# KiCad board ElonMux.kicad_pcb (continued)
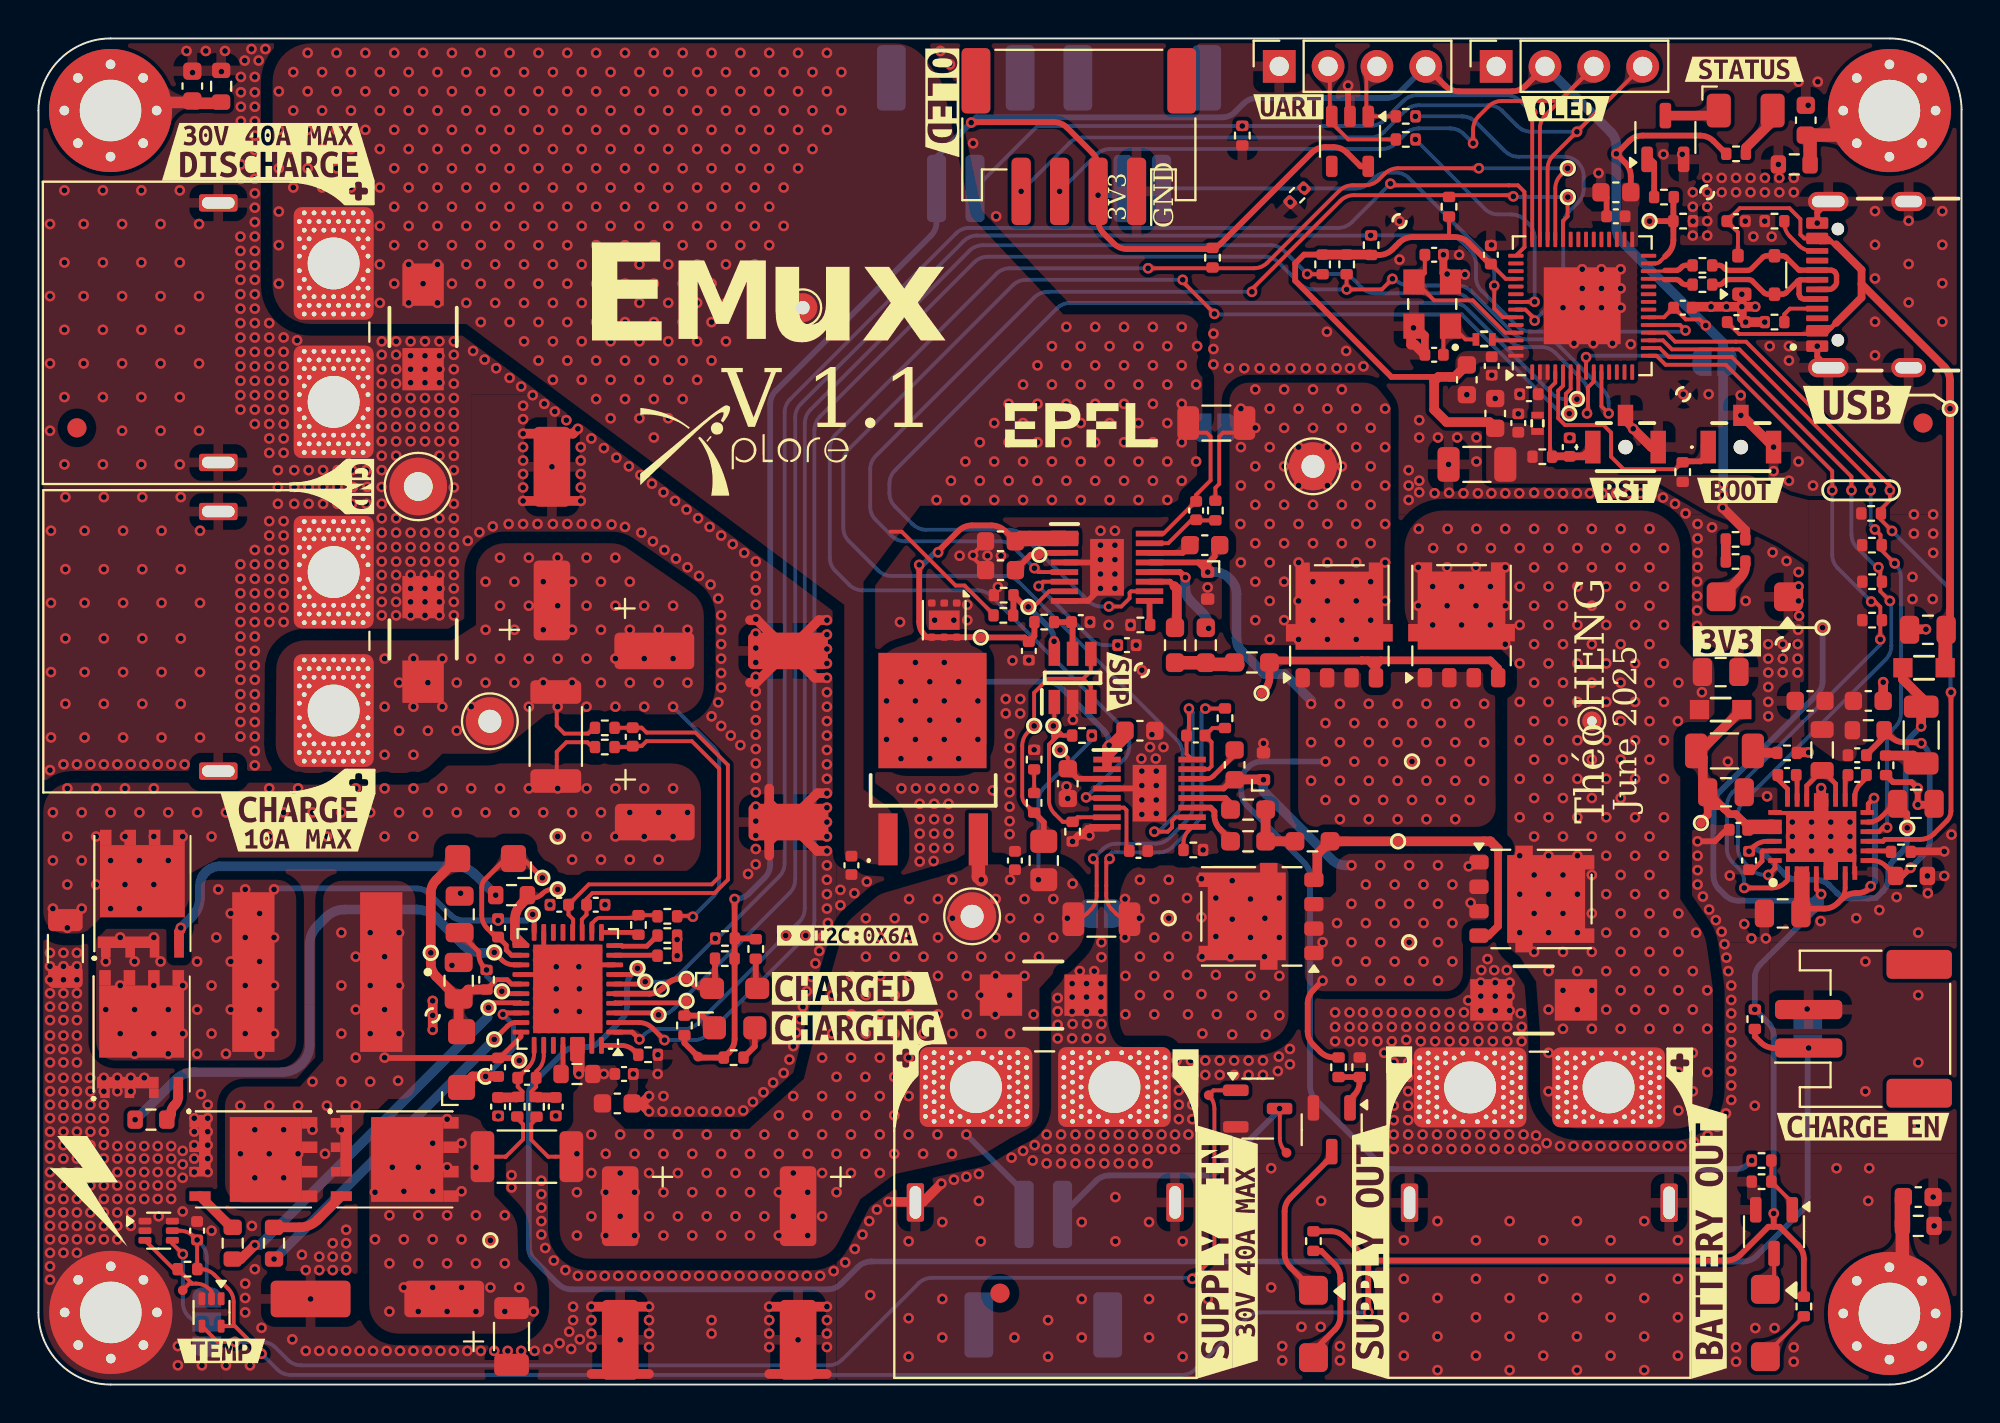
[diagram p0: board, top side]
## Placement (name value [footprint] x y rotation side) (continued)
TP810  VCC2  [TestPoint_Pad_D0.5mm_Front]  52 43.15 0 top
TP811  +VBAT  [TestPoint_THTPad_D1.5mm_Drill0.7mm]  39.75 56 0 top
TP812  +VBAT_O  [TestPoint_THTPad_D2.5mm_Drill1.2mm]  66.28 47.75 0 top
TP813  GND  [TestPoint_Pad_D0.5mm_Front]  57.38 37.15 0 top
TP814  VDD  [TestPoint_Pad_D0.5mm_Front]  49 38.85 0 top
TP815  GND  [TestPoint_Pad_D0.5mm_Front]  57.38 37.15 0 top
TP816  +VSUPPLY_O  [TestPoint_Pad_D0.5mm_Front]  58.78 24.25 0 top
TP1001  VIN2  [TestPoint_Pad_D0.5mm_Front]  99.4 50.75 270 top
TP1002  GND  [TestPoint_Pad_D0.5mm_Front]  86.78 62 270 top
TP1003  FAN_GATE  [TestPoint_Pad_D0.5mm_Front]  60.85 15.05 0 top
TP1004  FAN-  [TestPoint_Pad_D0.5mm_Front]  64.9 12.05 0 top
TP1005  FAN_OUT  [TestPoint_Pad_D0.5mm_Front]  7.5 4.9 0 top
U401  ESP32-S3FN8  [QFN-56-1EP_7x7mm_P0.4mm_EP4x4mm]  80.28 56.1 90 top
U701  BQ25756E  [QFN-36-1EP_5x6mm_P0.5mm_EP3.6x4.6mm]  27.53 20.58 180 top
U801  TVS3300DRV  [WSON-6-1EP_2x2mm_P0.65mm_EP1x1.6mm]  47.1 39.75 270 top
U901  74LVC1GU04DRL  [SOT-553]  9 3.75 270 top
Y401  ECS-400-10-33B-CKM-TR  [XTAL_ECS-400-10-33B-CKM-TR]  72.47 56.19 90 top

## Library data of the parts
C401 C404 C411 C717 C811-C814 = -: Datasheet: https://www.mouser.ch/datasheet/2/447/UPY_GPHC_X7R_6_3V_to_250V_24-3441574.pdf; Description: Unpolarized capacitor; Manufacturer Part Number: CC0603KRX7R9BB105; Supplier: Mouser Electronics; Manufacturer: YAGEO; Supplier Part Number: 603-CC603KRX7R9BB105; ki_fp_filters: C_*
C402 C405-C408 C412 C413 C601 C602 C606 C613 C710 C711 C713-C716 C718 C802 C803 C806-C810 C901 C1001 C1002 = -: Datasheet: https://www.mouser.ch/datasheet/2/396/taiyo_yuden_12132018_mlcc11_hq_e-1510082.pdf; Description: Unpolarized capacitor; Manufacturer Part Number: UMK105B7104KVHF; Supplier: Mouser Electronics; Manufacturer: TAIYO YUDEN; Supplier Part Number: 963-UMK105B7104KVHF; ki_fp_filters: C_*
C403 C604 C611 C704 C705 = -: Datasheet: https://www.mouser.ch/datasheet/2/585/MLCC-1837944.pdf; Description: Unpolarized capacitor; Manufacturer Part Number: CL31B106KBHNNNE; Supplier: Mouser Electronics; Manufacturer: Samsung Electro-Mechanics; Supplier Part Number: 187-CL31B106KBHNNNE; ki_fp_filters: C_*
C409 C410 C607 = -: Datasheet: https://www.mouser.ch/datasheet/2/40/U_Series-2942365.pdf; Description: Unpolarized capacitor; Manufacturer Part Number: 04025U100BAT2A; Supplier: Mouser Electronics; Manufacturer: KYOCERA AVX; Supplier Part Number: 581-04025U100BAT2A; ki_fp_filters: C_*
C603 C605 C610 C612 C614 C719 C720 = -: Datasheet: https://product.tdk.com/system/files/dam/doc/product/capacitor/ceramic/mlcc/catalog/mlcc_automotive_general_en.pdf; Description: Unpolarized capacitor; Manufacturer Part Number: CGA4J1X7R1H475K125AC; Supplier: Mouser Electronics; Manufacturer: TDK; Supplier Part Number: 810-CGA4J1X7R1H475K1; ki_fp_filters: C_*
C608 C609 = -: Datasheet: https://www.mouser.ch/datasheet/2/281/1/GRT188R61A226ME13_01A-3158190.pdf; Description: Unpolarized capacitor; Manufacturer Part Number: GRT188R61A226ME13D; Supplier: Mouser Electronics; Manufacturer: Murata Electronics; Supplier Part Number: 81-GRT188R61A226ME13; ki_fp_filters: C_*
C701-C703 C706-C708 = -: Datasheet: https://www.mouser.ch/datasheet/2/447/KEM_A4098_A780-3316145.pdf; Description: Polarized capacitor; Manufacturer Part Number: A780KS566M1JLAV040; Supplier: Mouser Electronics; Manufacturer: KEMET; Supplier Part Number: 80-A780KS566M1JLAV40; ki_fp_filters: CP_*
C709 C712 = -: Datasheet: https://www.mouser.ch/datasheet/2/281/1/GRM155R61H474KE11_01A-1983918.pdf; Description: Unpolarized capacitor; Manufacturer Part Number: GRM155R61H474KE11J; Supplier: Mouser Electronics; Manufacturer: Murata Electronics; Supplier Part Number: 81-GRM155R61H474KE1J; ki_fp_filters: C_*
C801 = -: Datasheet: https://www.mouser.ch/ProductDetail/KEMET/C0402C103J5RACAUTO?qs=KsGdhZFQ2RYoP6l8zK8S9A%3D%3D; Description: Unpolarized capacitor; Manufacturer Part Number: C0402C103J5RACAUTO; Supplier: Mouser Electronics; Manufacturer: TAIYO YUDEN; Supplier Part Number: 80-C0402C103J5RAUTO; ki_fp_filters: C_*
C805 C815 = -: Datasheet: https://www.mouser.fr/ProductDetail/KEMET/C0603C154K5RACAUTO?qs=sGAEpiMZZMvsSlwiRhF8qoq2nt9U6jfXK6tmGe3qCzY%3D; Description: Unpolarized capacitor; Manufacturer Part Number: C0603C154K5RACAUTO; Supplier: Mouser Electronics; Manufacturer: KEMET; Supplier Part Number: 80-C0603C154K5RAUTO; ki_fp_filters: C_*
C1201-C1203 = -: Datasheet: https://www.mouser.fr/datasheet/2/447/KEM_C1010_X7R_HV_SMD-3316377.pdf; Description: Multilayer Ceramic Capacitors MLCC - SMD/SMT 1000V 1kpF 0603 X7R 20%; Manufacturer: KEMET; Manufacturer Part Number: C0603C102MDRAC7081; Supplier: Mouser Electronics; Supplier Part Number: 80-C0603C102MDRAC; ki_fp_filters: C_*
D501-D504 = -: Datasheet: https://www.littelfuse.com/assetdocs/tvs-diodes-smbj-series-datasheet?assetguid=09A6AE9A-73CB-4AC4-ACAC-E6DAB92AB953; Description: Littelfuse SMBJ30A, Uni-Directional TVS Diode, 600W, 2-Pin DO-214AA; Manufacturer: LITTELFUSE; Supplier Part Number: 576-SMBJ30A; Supplier: Mouser Electronics
D701 D702 = -: Datasheet: https://www.vishay.com/docs/87557/v1fm10.pdf; Description: Schottky Diodes & Rectifiers 100V 1A SMF(DO-219AB); Supplier Part Number: 78-V1FM10-M3/H; Manufacturer: Vishay General Semiconductor; Supplier: Mouser Electronics
D801 = -: Datasheet: https://www.vishay.com/docs/89360/vbt3045c.pdf; Description: VISHAY - VBT3045C-E3/8W - SCHOTTKY RECTIFIER ARRAY, 30A, TO-263AB; Manufacturer: STMicroelectronics; Supplier Part Number: 511-STPS15L60CB-TR; Supplier: Mouser Electronics
D802 D803 = -: Datasheet: https://www.mouser.ch/datasheet/2/115/ZHCS350-3216133.pdf; Description: Schottky Diodes & Rectifiers VR=40V IF=350mA IR=12uA; Supplier Part Number: 522-ZHCS350TA; Manufacturer: Diodes Incorporated; Supplier: Mouser Electronics
D1001 = -: Datasheet: https://www.ti.com/lit/ds/symlink/esds314.pdf?ts=1743702062530&ref_url=https%253A%252F%252Fwww.mouser.ch%252F; Description: ESD Protection Diodes / TVS Diodes Quad 4.5-pF 3.6-V +/-30-kV ESD protect; Manufacturer: Texas Instruments; Manufacturer Part Number: ESDS314DBVR; Supplier: Mouser Electronics; Supplier Part Number: 595-ESDS314DBVR; ki_fp_filters: SOT?23*
D1002 = -: Datasheet: https://assets.nexperia.com/documents/data-sheet/PRTR5V0U2X.pdf; Description: Ultra low capacitance double rail-to-rail ESD protection diode, SOT-143; Manufacturer Part Number: PRTR5V0U2X,215; Manufacturer: Nexperia; Supplier Part Number: 771-PRTR5V0U2X-T/R; Supplier: Mouser Electronics; ki_fp_filters: SOT?143*
FB601 FB602 = -: Datasheet: https://www.we-online.com/katalog/datasheet/742792096.pdf; Description: 1 kOhms @ 100 MHz 1 Signal Line Ferrite Bead 0805 (2012 Metric) 1A 300mOhm; Manufacturer Part Number: 742792096; Manufacturer: Würth Elektronik; Supplier: Mouser Electronics; Supplier Part Number: 710-742792096; ki_fp_filters: Inductor_* L_* *Ferrite*
FM1201-FM1203 = -: ki_fp_filters: Fiducial*
H1201-H1204 = -: ki_fp_filters: MountingHole*Pad*
IC601 = -: Datasheet: https://www.mouser.fr/datasheet/2/609/3126f-2954520.pdf; Description: Switching Voltage Regulators 42V, 2.5A Synchronous Step-Down Regulator with Lossless PowerPath; Manufacturer: Analog Devices; Supplier Part Number: 584-LTC3126IUFD#PBF; Supplier: Mouser Electronics
IC801 IC802 = -: Datasheet: https://www.analog.com/media/en/technical-documentation/data-sheets/ltc7000-7000-1.pdf; Description: Gate Drivers Fast 150V Protected High Side NMOS Static Switch Driver; Manufacturer: Analog Devices; Supplier Part Number: 584-LTC7000EMSEPBF; Supplier: Mouser Electronics
IC803 = -: Datasheet: http://www.ti.com/lit/gpn/tps3701; Description: TPS3701 36V Window Supervisor with Internal Ref for Overvoltage and Undervoltage Detection; Manufacturer: Texas Instruments; Supplier Part Number: 595-TPS3701DDCR; Supplier: Mouser Electronics
IC901 = -: Datasheet: http://www.ti.com/lit/gpn/tmp302-q1; Description: Automotive, Pin-Selectable Trip Point 1.4V-Capable Family of Temperature Switches; Manufacturer: Texas Instruments; Supplier: Mouser Electronics; Supplier Part Number: 595-TMP302AQDRLRQ1
J501-J504 = -: Description: Generic connector, single row with mounting pin; Manufacturer: AMASS; Supplier: Transfer Multisort Elektronik; ki_fp_filters: Connector*:*_1x??_*
J701 J901 J1005 J1006 = -: Description: Generic connector, single row with mounting pin; Manufacturer: JST Sales America Inc.; Supplier: Digikey; Supplier Part Number: 455-S2B-PH-SM4-TBCT-ND; ki_fp_filters: Connector*:*_1x??_*
J1001 = -: Description: Generic connector, single row with mounting pin; ki_fp_filters: Connector*:*_1x??_*
J1002 J1003 = -: Description: Generic connector, single row, 01x04, script generated (kicad-library-utils/schlib/autogen/connector/); ki_fp_filters: Connector*:*_1x??_*
J1004 = -: Datasheet: https://www.mouser.ch/datasheet/2/837/Global_Connector_Technology_usb4105-3106202.pdf; Description: USB 2.0-only 16P Type-C Receptacle connector; Manufacturer: GCT; Supplier Part Number: 640-USB4105-GF-A; Supplier: Mouser Electronics; ki_fp_filters: USB*C*Receptacle*
JP401 = -: Description: Jumper, 2-pole, small symbol, bridged; ki_fp_filters: Jumper* TestPoint*2Pads* TestPoint*Bridge*
JP701 = -: Description: Jumper, 2-pole, small symbol, open; ki_fp_filters: Jumper* TestPoint*2Pads* TestPoint*Bridge*
JP801 JP802 = -: Description: Solder Jumper, 2-pole, open; ki_fp_filters: SolderJumper*Open*
JP901 = -: Description: Solder Jumper, 3-pole, open; ki_fp_filters: SolderJumper*Open*
L401 = -: Datasheet: https://www.mouser.ch/datasheet/2/281/1/JELF243B_9118-2079820.pdf; Description: RF Inductors - SMD; Manufacturer Part Number: LQG15WH2N0B02D; Manufacturer: Murata Electronics; Supplier Part Number: 81-LQG15WH2N0B02D; Supplier: Mouser Electronics
L402 = -: Datasheet: https://product.tdk.com/system/files/dam/doc/product/inductor/inductor/smd/catalog/inductor_automotive_high-frequency_mhq1005p_en.pdf; Description: RF Inductors - SMD IND 0402 24nH S-HQ AEC Q200 RF IND; Manufacturer Part Number: MHQ1005P24NGTD25; Manufacturer: TDK; Supplier Part Number: 810-MHQ1005P24NGTD25; Supplier: Mouser Electronics
L601 = -: Datasheet: https://www.vishay.com/docs/34115/imc08051.pdf; Description: Fixed Inductors 4.7uH 5%; Manufacturer Part Number: IMC0805ER4R7J01; Manufacturer: Vishay; Supplier Part Number: 70-IMC0805ER4R7J01; Supplier: Mouser Electronics
L701 = -: Datasheet: https://www.we-online.com/components/products/datasheet/78439369033.pdf; Description: Power Inductors - SMD WE-XHMI 1.0 uH  10.00 A  13.44 mOhms 4020; Manufacturer Part Number: 78439369033; Manufacturer: Wurth Elektronik; Supplier Part Number: 710-78439369033; Supplier: Mouser Electronics
LED601 LED801 LED802 = -: Datasheet: https://www.bivar.com/parts_content/Datasheets/SM1206SRC.pdf; Description: Red 640nm LED Indication - Discrete 1.85V 1206 (3216 Metric); Manufacturer Part Number: SM1206SRC; Manufacturer: Bivar; Supplier Part Number: 749-SM1206SRC; Supplier: Mouser Electronics
LED701 = -: Datasheet: https://www.mouser.ch/datasheet/2/216/AP2012MGC-33968.pdf; Description: Standard LEDs - SMD GRN WATER CLEAR 0805; Manufacturer Part Number: AP2012MGC; Manufacturer: Kingbright; Supplier Part Number: 604-AP2012MGC; Supplier: Mouser Electronics
LED702 = -: Datasheet: https://www.mouser.ch/datasheet/2/50/SM0805UOC-3002082.pdf; Description: Standard LEDs - SMD Ultra Orange 625 nm Water Clear; Manufacturer Part Number: SM0805UOC; Manufacturer: Bivar; Supplier Part Number: 749-SM0805UOC; Supplier: Mouser Electronics
LED1101 = -: Datasheet: https://www.farnell.com/datasheets/3122976.pdf?_gl=1*1n6ydro*_gcl_au*MjEzNTk3ODk2OC4xNzM3NjcyMzA4; Description: DEL standard - CMS SMD 1206 YELLOW; Manufacturer Part Number: 599-0240-007F; Manufacturer: Dialight; Supplier Part Number: 645-599-0240-007F; Supplier: Mouser Electronics
NT701-NT704 NT801-NT806 = -: Description: Net tie, 2 pins; ki_fp_filters: Net*Tie*
Q701-Q704 = -: Datasheet: https://www.mouser.ch/datasheet/2/196/Infineon_BSC059N04LS6_DataSheet_v02_01_EN-3360636.pdf; Description: MOSFETs TRENCH <= 40V; Manufacturer: Infineon Technologies; Supplier Part Number: 726-BSC059N04LS6ATMA; Supplier: Mouser Electronics
Q801 Q806 Q901 Q1101 = -: Datasheet: https://assets.nexperia.com/documents/data-sheet/PMV90ENE.pdf; Description: N-Channel 30 V 3A (Ta) 460mW (Ta) Surface Mount TO-236AB; Manufacturer: Nexperia USA Inc.; Supplier Part Number: 771-PMV90ENER; Supplier: Mouser Electronics; ki_fp_filters: TO?92*
Q802-Q805 = -: Datasheet: https://www.onsemi.com/download/data-sheet/pdf/nvmfs5c604nl-d.pdf; Description: MOSFETs T6 60V HEFET; Manufacturer: onsemi; Supplier Part Number: 863-NVMFS5C604NLFT1G; Supplier: Mouser Electronics; ki_fp_filters: TDSON*
R401 R402 R407 R408 R804 R810 R822-R824 R901 = -: Datasheet: https://www.koaspeer.com/pdfs/SG73P.pdf; Description: Resistor; Manufacturer Part Number: SG73P1EWTTP1002F; Supplier: Mouser Electronics; Manufacturer: KOA Speer; Supplier Part Number: 660-SG73P1EWTTP1002F; ki_fp_filters: R_*
R403-R406 R603-R606 R718-R720 R825 R826 R1007 R1008 R1103 = -: Datasheet: https://www.mouser.fr/datasheet/2/315/AOA0000C304-1149620.pdf; Description: Resistor; Manufacturer Part Number: ERJ-2RKF1003X; Supplier: Mouser Electronics; Manufacturer: Panasonic; Supplier Part Number: 667-ERJ-2RKF1003X; ki_fp_filters: R_*
R601 R610 = -: Datasheet: https://www.koaspeer.com/pdfs/RK73H.pdf; Description: Resistor; Manufacturer Part Number: RK73H1ETTP1R00F; Supplier: Mouser Electronics; Manufacturer: KOA Speer; Supplier Part Number: 660-RK73H1ETTP1R00F; ki_fp_filters: R_*
R602 R608 R801 R806 R812 R815 R816 R821 R1102 = -: Datasheet: https://www.vishay.com/docs/20043/crcwhpe3.pdf; Description: Resistor; Manufacturer Part Number: CRCW0402100RFKEDHP; Supplier: Mouser Electronics; Manufacturer: Vishay / Dale; Supplier Part Number: 71-CRCW0402100RFKEDH; ki_fp_filters: R_*
R607 = -: Datasheet: https://www.mouser.ch/datasheet/2/315/AOA0000C304-1149620.pdf; Description: Resistor; Manufacturer Part Number: ERJ-3EKF9093V; Supplier: Mouser Electronics; Manufacturer: Panasonic; Supplier Part Number: 667-ERJ-3EKF9093V; ki_fp_filters: R_*
R609 = -: Datasheet: https://www.mouser.ch/datasheet/2/315/AOA0000C304-1149620.pdf; Description: Resistor; Manufacturer Part Number: ERJ-3EKF3013V; Supplier: Mouser Electronics; Manufacturer: Panasonic; Supplier Part Number: 667-ERJ-3EKF3013V; ki_fp_filters: R_*
R611 = -: Datasheet: https://www.mouser.ch/datasheet/2/315/AOA0000C304-1149620.pdf; Description: Resistor; Manufacturer Part Number: ERJ-2RKF4422X; Supplier: Mouser Electronics; Manufacturer: Panasonic; Supplier Part Number: 667-ERJ-2RKF4422X; ki_fp_filters: R_*
R701 R702 = -: Datasheet: https://www.vishay.com/docs/30122/wslp.pdf; Description: Current Sense Resistors - SMD 2watts 0.005ohms 1%; Manufacturer Part Number: WSLP20105L000FEA; Supplier: Mouser Electronics; Manufacturer: Vishay Dale; Supplier Part Number: 71-WSLP20105L000FEA; ki_fp_filters: R_*
R703 R704 R709 R710 R712 R803 R809 R819 R820 R1201-R1203 = -: Datasheet: https://www.mouser.fr/datasheet/2/447/PYu_RC_Group_51_RoHS_L_11-1984063.pdf; Description: Resistor; Manufacturer Part Number: RC0603FR-100RL; Supplier: Mouser Electronics; Manufacturer: YAGEO; Supplier Part Number: 603-RC0603FR-100RL; ki_fp_filters: R_*
R705-R708 R714 = -: Datasheet: https://www.koaspeer.com/pdfs/RK73H.pdf; Description: Resistor; Manufacturer Part Number: RK73H1ETTPL10R0F; Supplier: Mouser Electronics; Manufacturer: KOA Speer; Supplier Part Number: 660-RK73H1ETTPL10R0F; ki_fp_filters: R_*
R711 = -: Datasheet: https://www.mouser.ch/datasheet/2/418/8/ENG_DS_1773200_N2-1954016.pdf; Description: Resistor; Manufacturer Part Number: CPF0402B249KE; Supplier: Mouser Electronics; Manufacturer: TE Connectivity / Holsworthy; Supplier Part Number: 279-CPF0402B249KE; ki_fp_filters: R_*
R713 = -: Datasheet: https://industrial.panasonic.com/cdbs/www-data/pdf/RDM0000/AOA0000C307.pdf; Description: Resistor; Manufacturer Part Number: ERA-2AEB1402X; Supplier: Mouser Electronics; Manufacturer: Panasonic; Supplier Part Number: 667-ERA-2AEB1402X; ki_fp_filters: R_*
R715 = -: Datasheet: https://www.mouser.ch/datasheet/2/385/SEI_RNCF-3077647.pdf; Description: Resistor; Manufacturer Part Number: RNCF0402BTE40K0; Supplier: Mouser Electronics; Manufacturer: SEI Stackpole; Supplier Part Number: 708-RNCF0402BTE40K0; ki_fp_filters: R_*
R716 = -: Datasheet: https://www.mouser.ch/datasheet/2/447/YAGEO_PYu_RC_Group_51_RoHS_L_12-3313492.pdf; Description: Resistor; Manufacturer Part Number: RC0402FR-075KL; Supplier: Mouser Electronics; Manufacturer: YAGEO; Supplier Part Number: 603-RC0402FR-075KL; ki_fp_filters: R_*
R717 = -: Datasheet: https://industrial.panasonic.com/cdbs/www-data/pdf/RDA0000/AOA0000C304.pdf; Description: Resistor; Manufacturer Part Number: ERJ-2RKF1001X; Supplier: Mouser Electronics; Manufacturer: Panasonic; Supplier Part Number: 667-ERJ-2RKF1001X; ki_fp_filters: R_*
R721 R722 R1101 = -: Datasheet: https://industrial.panasonic.com/cdbs/www-data/pdf/RDA0000/AOA0000C304.pdf; Description: Resistor; Manufacturer Part Number: ERJ-2RKF56R0X; Supplier: Mouser Electronics; Manufacturer: Panasonic; Supplier Part Number: 667-ERJ-2RKF56R0X; ki_fp_filters: R_*
R802 R808 R813 R814 = -: Datasheet: https://www.koaspeer.com/pdfs/RK73H.pdf; Description: Resistor; Manufacturer Part Number: RK73H1ETTP2052F; Supplier: Mouser Electronics; Manufacturer: KOA Speer; Supplier Part Number: 660-RK73H1ETTP2052F; ki_fp_filters: R_*
R805 R807 = -: Datasheet: https://eu.mouser.com/datasheet/2/385/SEI_HCS-3077771.pdf; Description: Current Sense Resistors - SMD 0.001Ohms 1206 2W 200ppm 1% Hi Curr AEC-Q200; Manufacturer Part Number: HCS1206FT1L00; Supplier: Mouser Electronics; Manufacturer: SEI Stackpole; Supplier Part Number: 708-HCS1206FT1L00; ki_fp_filters: R_*
R811 = -: Datasheet: https://www.mouser.ch/datasheet/2/315/AOA0000C331-1141874.pdf; Description: Resistor; Manufacturer Part Number: ERJ-P06F2403V; Supplier: Mouser Electronics; Manufacturer: Panasonic; Supplier Part Number: 667-ERJ-P06F2403V; ki_fp_filters: R_*
R817 R818 = -: Datasheet: https://www.vishay.com/docs/28773/crcwce3.pdf; Description: Resistor; Manufacturer Part Number: CRCW0603178KFKEAC; Supplier: Mouser Electronics; Manufacturer: Vishay / Dale; Supplier Part Number: 71-CRCW0603178KFKEAC; ki_fp_filters: R_*
R1001 R1002 R1005 R1006 = -: Datasheet: https://www.vishay.com/docs/20065/rcse3.pdf; Description: Resistor; Manufacturer Part Number: RCS040227R0FKED; Supplier: Mouser Electronics; Manufacturer: Vishay / Dale; Supplier Part Number: 71-RCS040227R0FKED; ki_fp_filters: R_*
R1003 R1004 = -: Datasheet: https://www.vishay.com/docs/20065/rcse3.pdf; Description: Resistor; Manufacturer Part Number: RCS04025K10FKED; Supplier: Mouser Electronics; Manufacturer: Vishay / Dale; Supplier Part Number: 71-RCS04025K10FKED; ki_fp_filters: R_*
S401 S402 = -: Datasheet: https://www.omron.com/ecb/products/pdf/en-b3u.pdf; Description: Switch Tact,ultra small,top act,grnd trm Button Tactile Switch, SPST-NO 0.05 A@ 12 V dc 0.4mm; Manufacturer: Omron Electronics; Supplier Part Number: 653-B3U-1100P-B; Supplier: Mouser Electronics
TP401-TP415 TP601-TP605 TP701-TP719 TP801-TP816 TP1001-TP1005 = -: Description: test point; ki_fp_filters: Pin* Test*
U401 = -: Datasheet: https://www.espressif.com/sites/default/files/documentation/esp32-s3_datasheet_en.pdf; Description: Microcontroller, Wi-Fi 802.11b/g/n, Bluetooth, 32bit; Manufacturer: Espressif Systems; Supplier Part Number: 356-ESP32-S3FN8; Supplier: Mouser Electronics; ki_fp_filters: QFN*1EP*7x7mm*P0.4mm*
U701 = -: Datasheet: https://www.ti.com/lit/ds/symlink/bq25756e.pdf?ts=1734224766750; Description: Battery Management Stand-alone or IC-controlled bidirectional buck-boost charge controller for up to 7S batteries 36-VQFN -40 to 125; Manufacturer: Texas Instruments; Manufacturer Part Number: BQ25756ERRVR; Supplier: Mouser Electronics; Supplier Part Number: 595-BQ25756ERRVR
U801 = -: Datasheet: http://www.ti.com/lit/ds/symlink/tvs3300.pdf; Description: Flat-Clamp Surge Protection Device. 33Vrwm, WSON-6; ki_fp_filters: WSON*1EP*2x2mm*P0.65mm*EP1x1.6mm*
U901 = -: Datasheet: http://www.ti.com/lit/ds/symlink/sn74lvc1gu04.pdf; Description: Single Inverter Gate, SOT-553; ki_fp_filters: SOT*553*
Y401 = -: Datasheet: https://eu.mouser.com/datasheet/2/122/ECS_33B-1222132.pdf; Description: 40 Mhz SMD CRYSTAL; Manufacturer: ECS Inc. International; Supplier Part Number: 520-400-10-33B-CKMT; Supplier: Mouser Electronics

## Footprints (pads in the part's own frame, mm; a bottom-side part is the same pattern mirrored in y, then rotated)
742792096
  rect 1x1 smd: 1(-1.1,0) 2(1.1,0)
78439369033
  rect 8.3x2.2 smd: 1(0,3.325) 2(0,-3.325)
AMASS_XT60PW-F_1x02_P7.20mm_Horizontal
  round 0.55 hole 0.25: 1(-2.63,1.53) 1(-2.63,1.02) 1(-2.63,0.51) 1(-2.63,0) 1(-2.63,-0.51) 1(-2.63,-1.02) 1(-2.63,-1.53) 1(-2.18,1.785) 1(-2.18,1.275) 1(-2.18,0.765) 1(-2.18,0.255) 1(-2.18,-0.255) 1(-2.18,-0.765) 1(-2.18,-1.275) 1(-2.18,-1.785) 1(-1.73,1.53) 1(-1.73,1.02) 1(-1.73,0.51) 1(-1.73,0) 1(-1.73,-0.51) 1(-1.73,-1.02) 1(-1.73,-1.53) 1(-1.28,1.785) 1(-1.28,1.275) 1(-1.28,-1.275) 1(-1.28,-1.785) 1(-0.83,1.53) 1(-0.83,-1.53) 1(-0.38,1.785) 1(-0.38,-1.785) 1(0.38,1.785) 1(0.38,-1.785) 1(0.83,1.53) 1(0.83,-1.53) 1(1.28,1.785) 1(1.28,1.275) 1(1.28,-1.275) 1(1.28,-1.785) 1(1.73,1.53) 1(1.73,1.02) 1(1.73,0.51) 1(1.73,0) 1(1.73,-0.51) 1(1.73,-1.02) 1(1.73,-1.53) 1(2.18,1.785) 1(2.18,1.275) 1(2.18,0.765) 1(2.18,0.255) 1(2.18,-0.255) 1(2.18,-0.765) 1(2.18,-1.275) 1(2.18,-1.785) 1(2.63,1.53) 1(2.63,1.02) 1(2.63,0.51) 1(2.63,0) 1(2.63,-0.51) 1(2.63,-1.02) 1(2.63,-1.53) 2(-9.83,1.53) 2(-9.83,1.02) 2(-9.83,0.51) 2(-9.83,0) 2(-9.83,-0.51) 2(-9.83,-1.02) 2(-9.83,-1.53) 2(-9.38,1.785) 2(-9.38,1.275) 2(-9.38,0.765) 2(-9.38,0.255) 2(-9.38,-0.255) 2(-9.38,-0.765) 2(-9.38,-1.275) 2(-9.38,-1.785) 2(-8.93,1.53) 2(-8.93,1.02) 2(-8.93,0.51) 2(-8.93,0) 2(-8.93,-0.51) 2(-8.93,-1.02) 2(-8.93,-1.53) 2(-8.48,1.785) 2(-8.48,1.275) 2(-8.48,-1.275) 2(-8.48,-1.785) 2(-8.03,1.53) 2(-8.03,-1.53) 2(-7.58,1.785) 2(-7.58,-1.785) 2(-6.82,1.785) 2(-6.82,-1.785) 2(-6.37,1.53) 2(-6.37,-1.53) 2(-5.92,1.785) 2(-5.92,1.275) 2(-5.92,-1.275) 2(-5.92,-1.785) 2(-5.47,1.53) 2(-5.47,1.02) 2(-5.47,0.51) 2(-5.47,0) 2(-5.47,-0.51) 2(-5.47,-1.02) 2(-5.47,-1.53) 2(-5.02,1.785) 2(-5.02,1.275) 2(-5.02,0.765) 2(-5.02,0.255) 2(-5.02,-0.255) 2(-5.02,-0.765) 2(-5.02,-1.275) 2(-5.02,-1.785) 2(-4.57,1.53) 2(-4.57,1.02) 2(-4.57,0.51) 2(-4.57,0) 2(-4.57,-0.51) 2(-4.57,-1.02) 2(-4.57,-1.53)
  rrect 5.85x4.15 hole 2.7: 1(0,0) 2(-7.2,0)
  rrect 0.9x2 hole 0.6x1.7: MP1(3.15,6) MP2(-10.35,6)
AMASS_XT60PW-M_1x02_P7.20mm_Horizontal
  round 0.55 hole 0.25: 1(-6.01,1.585) 1(-6.01,1.075) 1(-6.01,0.565) 1(-6.01,0.055) 1(-6.01,-0.455) 1(-6.01,-0.965) 1(-6.01,-1.475) 1(-5.56,1.84) 1(-5.56,1.33) 1(-5.56,0.82) 1(-5.56,0.31) 1(-5.56,-0.2) 1(-5.56,-0.71) 1(-5.56,-1.22) 1(-5.56,-1.73) 1(-5.11,1.585) 1(-5.11,1.075) 1(-5.11,0.565) 1(-5.11,0.055) 1(-5.11,-0.455) 1(-5.11,-0.965) 1(-5.11,-1.475) 1(-4.66,1.84) 1(-4.66,1.33) 1(-4.66,-1.22) 1(-4.66,-1.73) 1(-4.21,1.585) 1(-4.21,-1.475) 1(-3.76,1.84) 1(-3.76,-1.73) 1(-3,1.84) 1(-3,-1.73) 1(-2.55,1.585) 1(-2.55,-1.475) 1(-2.1,1.84) 1(-2.1,1.33) 1(-2.1,-1.22) 1(-2.1,-1.73) 1(-1.65,1.585) 1(-1.65,1.075) 1(-1.65,0.565) 1(-1.65,0.055) 1(-1.65,-0.455) 1(-1.65,-0.965) 1(-1.65,-1.475) 1(-1.2,1.84) 1(-1.2,1.33) 1(-1.2,0.82) 1(-1.2,0.31) 1(-1.2,-0.2) 1(-1.2,-0.71) 1(-1.2,-1.22) 1(-1.2,-1.73) 1(-0.75,1.585) 1(-0.75,1.075) 1(-0.75,0.565) 1(-0.75,0.055) 1(-0.75,-0.455) 1(-0.75,-0.965) 1(-0.75,-1.475) 2(1.19,1.585) 2(1.19,1.075) 2(1.19,0.565) 2(1.19,0.055) 2(1.19,-0.455) 2(1.19,-0.965) 2(1.19,-1.475) 2(1.64,1.84) 2(1.64,1.33) 2(1.64,0.82) 2(1.64,0.31) 2(1.64,-0.2) 2(1.64,-0.71) 2(1.64,-1.22) 2(1.64,-1.73) 2(2.09,1.585) 2(2.09,1.075) 2(2.09,0.565) 2(2.09,0.055) 2(2.09,-0.455) 2(2.09,-0.965) 2(2.09,-1.475) 2(2.54,1.84) 2(2.54,1.33) 2(2.54,-1.22) 2(2.54,-1.73) 2(2.99,1.585) 2(2.99,-1.475) 2(3.44,1.84) 2(3.44,-1.73) 2(4.2,1.84) 2(4.2,-1.73) 2(4.65,1.585) 2(4.65,-1.475) 2(5.1,1.84) 2(5.1,1.33) 2(5.1,-1.22) 2(5.1,-1.73) 2(5.55,1.585) 2(5.55,1.075) 2(5.55,0.565) 2(5.55,0.055) 2(5.55,-0.455) 2(5.55,-0.965) 2(5.55,-1.475) 2(6,1.84) 2(6,1.33) 2(6,0.82) 2(6,0.31) 2(6,-0.2) 2(6,-0.71) 2(6,-1.22) 2(6,-1.73) 2(6.45,1.585) 2(6.45,1.075) 2(6.45,0.565) 2(6.45,0.055) 2(6.45,-0.455) 2(6.45,-0.965) 2(6.45,-1.475)
  rrect 5.85x4.15 hole 2.7: 1(-3.38,0.055) 2(3.82,0.055)
  rrect 0.9x2 hole 0.6x1.7: MP1(-6.53,6.055) MP2(6.97,6.055)
B3U1100PB
  round 0.75 hole 0.75 unplated: (0,0)
  rect 0.8x1.7 smd: 1(1.7,0) 2(-1.7,0)
  rect 0.8x1.1 smd: 3(0,-1.65)
BIVAR_LED_0805
  rrect 1.2x1.2 smd: 1(-1.05,0) 2(1.05,0)
BIVAR_LED_1206
  rrect 1.5x1.5 smd: 1(-1.75,0) 2(1.75,0)
BSC059N04LS6ATMA1
  rect 0.5x0.5 smd: 1(-1.88,-2.78) 1(-0.61,-2.78) 1(0.66,-2.78)
  rect 3.2x0.6 smd: 1(-0.69,-2.23)
  rect 0.5x1.1 smd: 2(1.93,-2.48)
  rect 0.6x0.8 smd: 3(-1.88,3.22) 3(-0.61,3.22) 3(0.66,3.22) 3(1.93,3.22)
  rect 4.41x3.75 smd: 3(0.025,0.945)
C_0402_1005Metric
  rrect 0.56x0.62 smd: 1(-0.48,0) 2(0.48,0)
C_0603_1608Metric
  rrect 0.9x0.95 smd: 1(-0.775,0) 2(0.775,0)
C_0805_2012Metric
  rrect 1x1.45 smd: 1(-0.95,0) 2(0.95,0)
C_1206_3216Metric
  rrect 1.15x1.8 smd: 1(-1.475,0) 2(1.475,0)
CP_Elec_8x11.9
  rrect 4.15x1.9 smd: 1(-3.475,0) 2(3.475,0)
D_SMF
  rrect 1.3x1.4 smd: 1(-1.45,0) 2(1.45,0)
D_SOD-523
  rrect 0.6x0.7 smd: 1(-0.7,0) 2(0.7,0)
DIOM5436X244N
  rect 2.2x2.15 smd: 1(-2.2,0) 2(2.2,0)
Fiducial_1mm_Mask2mm
  round 1 smd: (0,0)
GCT_USB4105-GF-A
  round 0.65 hole 0.65 unplated: (-2.89,3.68) (2.89,3.68)
  rrect 0.6x1.15 smd: A1_B12(-3.2,4.755) A4_B9(-2.4,4.755) B1_A12(3.2,4.755) B4_A9(2.4,4.755)
  rrect 0.3x1.15 smd: A5(-1.25,4.755) A6(-0.25,4.755) A7(0.25,4.755) A8(1.25,4.755) B5(1.75,4.755) B6(0.75,4.755) B7(-0.75,4.755) B8(-1.75,4.755)
  oval 1x2.1 hole 0.6x1.7: SH1(-4.32,4.18) SH2(4.32,4.18)
  oval 1x1.8 hole 0.6x1.4: SH3(-4.32,0) SH4(4.32,0)
JST_PH_S2B-PH-SM4-TB_1x02-1MP_P2.00mm_Horizontal
  rrect 1x3.5 smd: 1(-1,2.85) 2(1,2.85)
  rrect 1.5x3.4 smd: MP1(-3.35,-2.9) MP2(3.35,-2.9)
JST_PH_S4B-PH-SM4-TB_1x04-1MP_P2.00mm_Horizontal
  rrect 1x3.5 smd: 1(-3,2.85) 2(-1,2.85) 3(1,2.85) 4(3,2.85)
  rrect 1.5x3.4 smd: MP1(-5.35,-2.9) MP2(5.35,-2.9)
KingBright_LED_0805
  rrect 1.25x1.1 smd: 1(-1.175,0) 2(1.175,0)
L_0805_2012Metric
  rrect 0.875x1.2 smd: 1(-1.062,0) 2(1.062,0)
LED_1206_3216Metric
  rrect 1.25x1.75 smd: 1(-1.4,0) 2(1.4,0)
LQG15WH2N0B02D
  rect 0.35x0.65 smd: 1(-0.425,0) 2(0.425,0)
LTC3126EUFD
  rect 0.7x0.25 smd: 1(-1.9,1.75) 2(-1.9,1.25) 3(-1.9,0.75) 4(-1.9,0.25) 5(-1.9,-0.25) 6(-1.9,-0.75) 7(-1.9,-1.25) 8(-1.9,-1.75) 15(1.9,-1.75) 16(1.9,-1.25) 17(1.9,-0.75) 18(1.9,-0.25) 19(1.9,0.25) 20(1.9,0.75) 21(1.9,1.25) 22(1.9,1.75)
  rect 0.25x0.7 smd: 9(-1.25,-2.4) 10(-0.75,-2.4) 11(-0.25,-2.4) 12(0.25,-2.4) 13(0.75,-2.4) 14(1.25,-2.4) 23(1.25,2.4) 24(0.75,2.4) 25(0.25,2.4) 26(-0.25,2.4) 27(-0.75,2.4) 28(-1.25,2.4)
  rect 2.65x3.65 smd: 29(0,0)
LTC7000EMSE#PBF
  rect 1.425x0.3 smd: 1(-2.212,1.75) 2(-2.212,1.25) 3(-2.212,0.75) 4(-2.212,0.25) 5(-2.212,-0.25) 6(-2.212,-0.75) 7(-2.212,-1.25) 8(-2.212,-1.75) 9(2.212,-1.75) 10(2.212,-1.25) 11(2.212,-0.75) 12(2.212,-0.25) 13(2.212,0.25) 14(2.212,0.75) 15(2.212,1.25) 16(2.212,1.75)
  rect 1.753x2.947 smd: 17(0,0)
MHQ1005P24NGTD25
  rect 0.35x0.65 smd: 1(-0.425,0) 2(0.425,0)
MountingHole_3.2mm_M3_Pad_Via
  round 0.8 hole 0.5: 1(-2.4,0) 1(-1.697,1.697) 1(-1.697,-1.697) 1(0,2.4) 1(0,-2.4) 1(1.697,1.697) 1(1.697,-1.697) 1(2.4,0)
  round 6.4 hole 3.2: 1(0,0)
NetTie-2_SMD_Pad0.2mm
  round 0.2 smd: 1(-0.2,0) 2(0.2,0)
  rect 0.4x0.2 smd: 1(0,0)
NetTie-2_SMD_Pad0.5mm
  round 0.5 smd: 1(-0.5,0) 2(0.5,0)
  rect 1x0.5 smd: 1(0,0)
ONSemi_SO-8FL-4
  rrect 1x0.75 smd: 1(-2.747,1.905) 2(-2.747,0.635) 3(-2.747,-0.635) 4(-2.747,-1.905)
  custom 4.055x4.56 smd: 5(0.745,0)
PinSocket_1x04_P2.54mm_Vertical
  rect 1.7x1.7 hole 1: 1(0,0)
  oval 1.7x1.7 hole 1: 2(0,-2.54) 3(0,-5.08) 4(0,-7.62)
QFN-36-1EP_5x6mm_P0.5mm_EP3.6x4.6mm
  rrect 0.97x0.93 smd: (-1.2,1.725) (-1.2,0.575) (-1.2,-0.575) (-1.2,-1.725) (0,1.725) (0,0.575) (0,-0.575) (0,-1.725) (1.2,1.725) (1.2,0.575) (1.2,-0.575) (1.2,-1.725)
  rrect 0.875x0.25 smd: 1(-2.438,2.25) 2(-2.438,1.75) 3(-2.438,1.25) 4(-2.438,0.75) 5(-2.438,0.25) 6(-2.438,-0.25) 7(-2.438,-0.75) 8(-2.438,-1.25) 9(-2.438,-1.75) 10(-2.438,-2.25) 19(2.438,-2.25) 20(2.438,-1.75) 21(2.438,-1.25) 22(2.438,-0.75) 23(2.438,-0.25) 24(2.438,0.25) 25(2.438,0.75) 26(2.438,1.25) 27(2.438,1.75) 28(2.438,2.25)
  rrect 0.25x0.875 smd: 11(-1.75,-2.938) 12(-1.25,-2.938) 13(-0.75,-2.938) 14(-0.25,-2.938) 15(0.25,-2.938) 16(0.75,-2.938) 17(1.25,-2.938) 18(1.75,-2.938) 29(1.75,2.938) 30(1.25,2.938) 31(0.75,2.938) 32(0.25,2.938) 33(-0.25,2.938) 34(-0.75,2.938) 35(-1.25,2.938) 36(-1.75,2.938)
  rect 3.6x4.6 smd: 37(0,0)
QFN-56-1EP_7x7mm_P0.4mm_EP4x4mm
  rrect 1.07x1.07 smd: (-1.33,1.33) (-1.33,0) (-1.33,-1.33) (0,1.33) (0,0) (0,-1.33) (1.33,1.33) (1.33,0) (1.33,-1.33)
  rrect 0.8x0.2 smd: 1(-3.45,2.6) 2(-3.45,2.2) 3(-3.45,1.8) 4(-3.45,1.4) 5(-3.45,1) 6(-3.45,0.6) 7(-3.45,0.2) 8(-3.45,-0.2) 9(-3.45,-0.6) 10(-3.45,-1) 11(-3.45,-1.4) 12(-3.45,-1.8) 13(-3.45,-2.2) 14(-3.45,-2.6) 29(3.45,-2.6) 30(3.45,-2.2) 31(3.45,-1.8) 32(3.45,-1.4) 33(3.45,-1) 34(3.45,-0.6) 35(3.45,-0.2) 36(3.45,0.2) 37(3.45,0.6) 38(3.45,1) 39(3.45,1.4) 40(3.45,1.8) 41(3.45,2.2) 42(3.45,2.6)
  rrect 0.2x0.8 smd: 15(-2.6,-3.45) 16(-2.2,-3.45) 17(-1.8,-3.45) 18(-1.4,-3.45) 19(-1,-3.45) 20(-0.6,-3.45) 21(-0.2,-3.45) 22(0.2,-3.45) 23(0.6,-3.45) 24(1,-3.45) 25(1.4,-3.45) 26(1.8,-3.45) 27(2.2,-3.45) 28(2.6,-3.45) 43(2.6,3.45) 44(2.2,3.45) 45(1.8,3.45) 46(1.4,3.45) 47(1,3.45) 48(0.6,3.45) 49(0.2,3.45) 50(-0.2,3.45) 51(-0.6,3.45) 52(-1,3.45) 53(-1.4,3.45) 54(-1.8,3.45) 55(-2.2,3.45) 56(-2.6,3.45)
  rect 4x4 smd: 57(0,0)
R_0402_1005Metric
  rrect 0.54x0.64 smd: 1(-0.51,0) 2(0.51,0)
R_0603_1608Metric
  rrect 0.8x0.95 smd: 1(-0.825,0) 2(0.825,0)
R_0603_1608Metric_Pad0.98x0.95mm_HandSolder
  rrect 0.975x0.95 smd: 1(-0.912,0) 2(0.912,0)
R_0805_2012Metric_Pad1.20x1.40mm_HandSolder
  rrect 1.2x1.4 smd: 1(-1,0) 2(1,0)
R_1206_3216Metric
  rrect 1.125x1.75 smd: 1(-1.462,0) 2(1.462,0)
R_2010_5025Metric
  rrect 1.225x2.65 smd: 1(-2.312,0) 2(2.312,0)
SolderJumper-2_P1.3mm_Open_RoundedPad1.0x1.5mm
  custom 1x0.5 smd: 1(-0.65,0) 2(0.65,0)
SolderJumper-3_P1.3mm_Open_RoundedPad1.0x1.5mm
  custom 1x0.5 smd: 1(-1.3,0) 3(1.3,0)
  rect 1x1.5 smd: 2(0,0)
SOT-23-3
  rrect 1.325x0.6 smd: 1(-1.137,0.95) 2(-1.137,-0.95) 3(1.137,0)
SOT-23-5-TEXAS
  rrect 1.1x0.6 smd: 1(-1.3,0.95) 2(-1.3,0) 3(-1.3,-0.95) 4(1.3,-0.95) 5(1.3,0.95)
SOT-143
  rrect 0.7x1 smd: 1(-1,0.75)
  rrect 0.7x0.6 smd: 2(-1,-0.95) 3(1,-0.95) 4(1,0.95)
